# KiCad board Marble.kicad_pcb (continued)
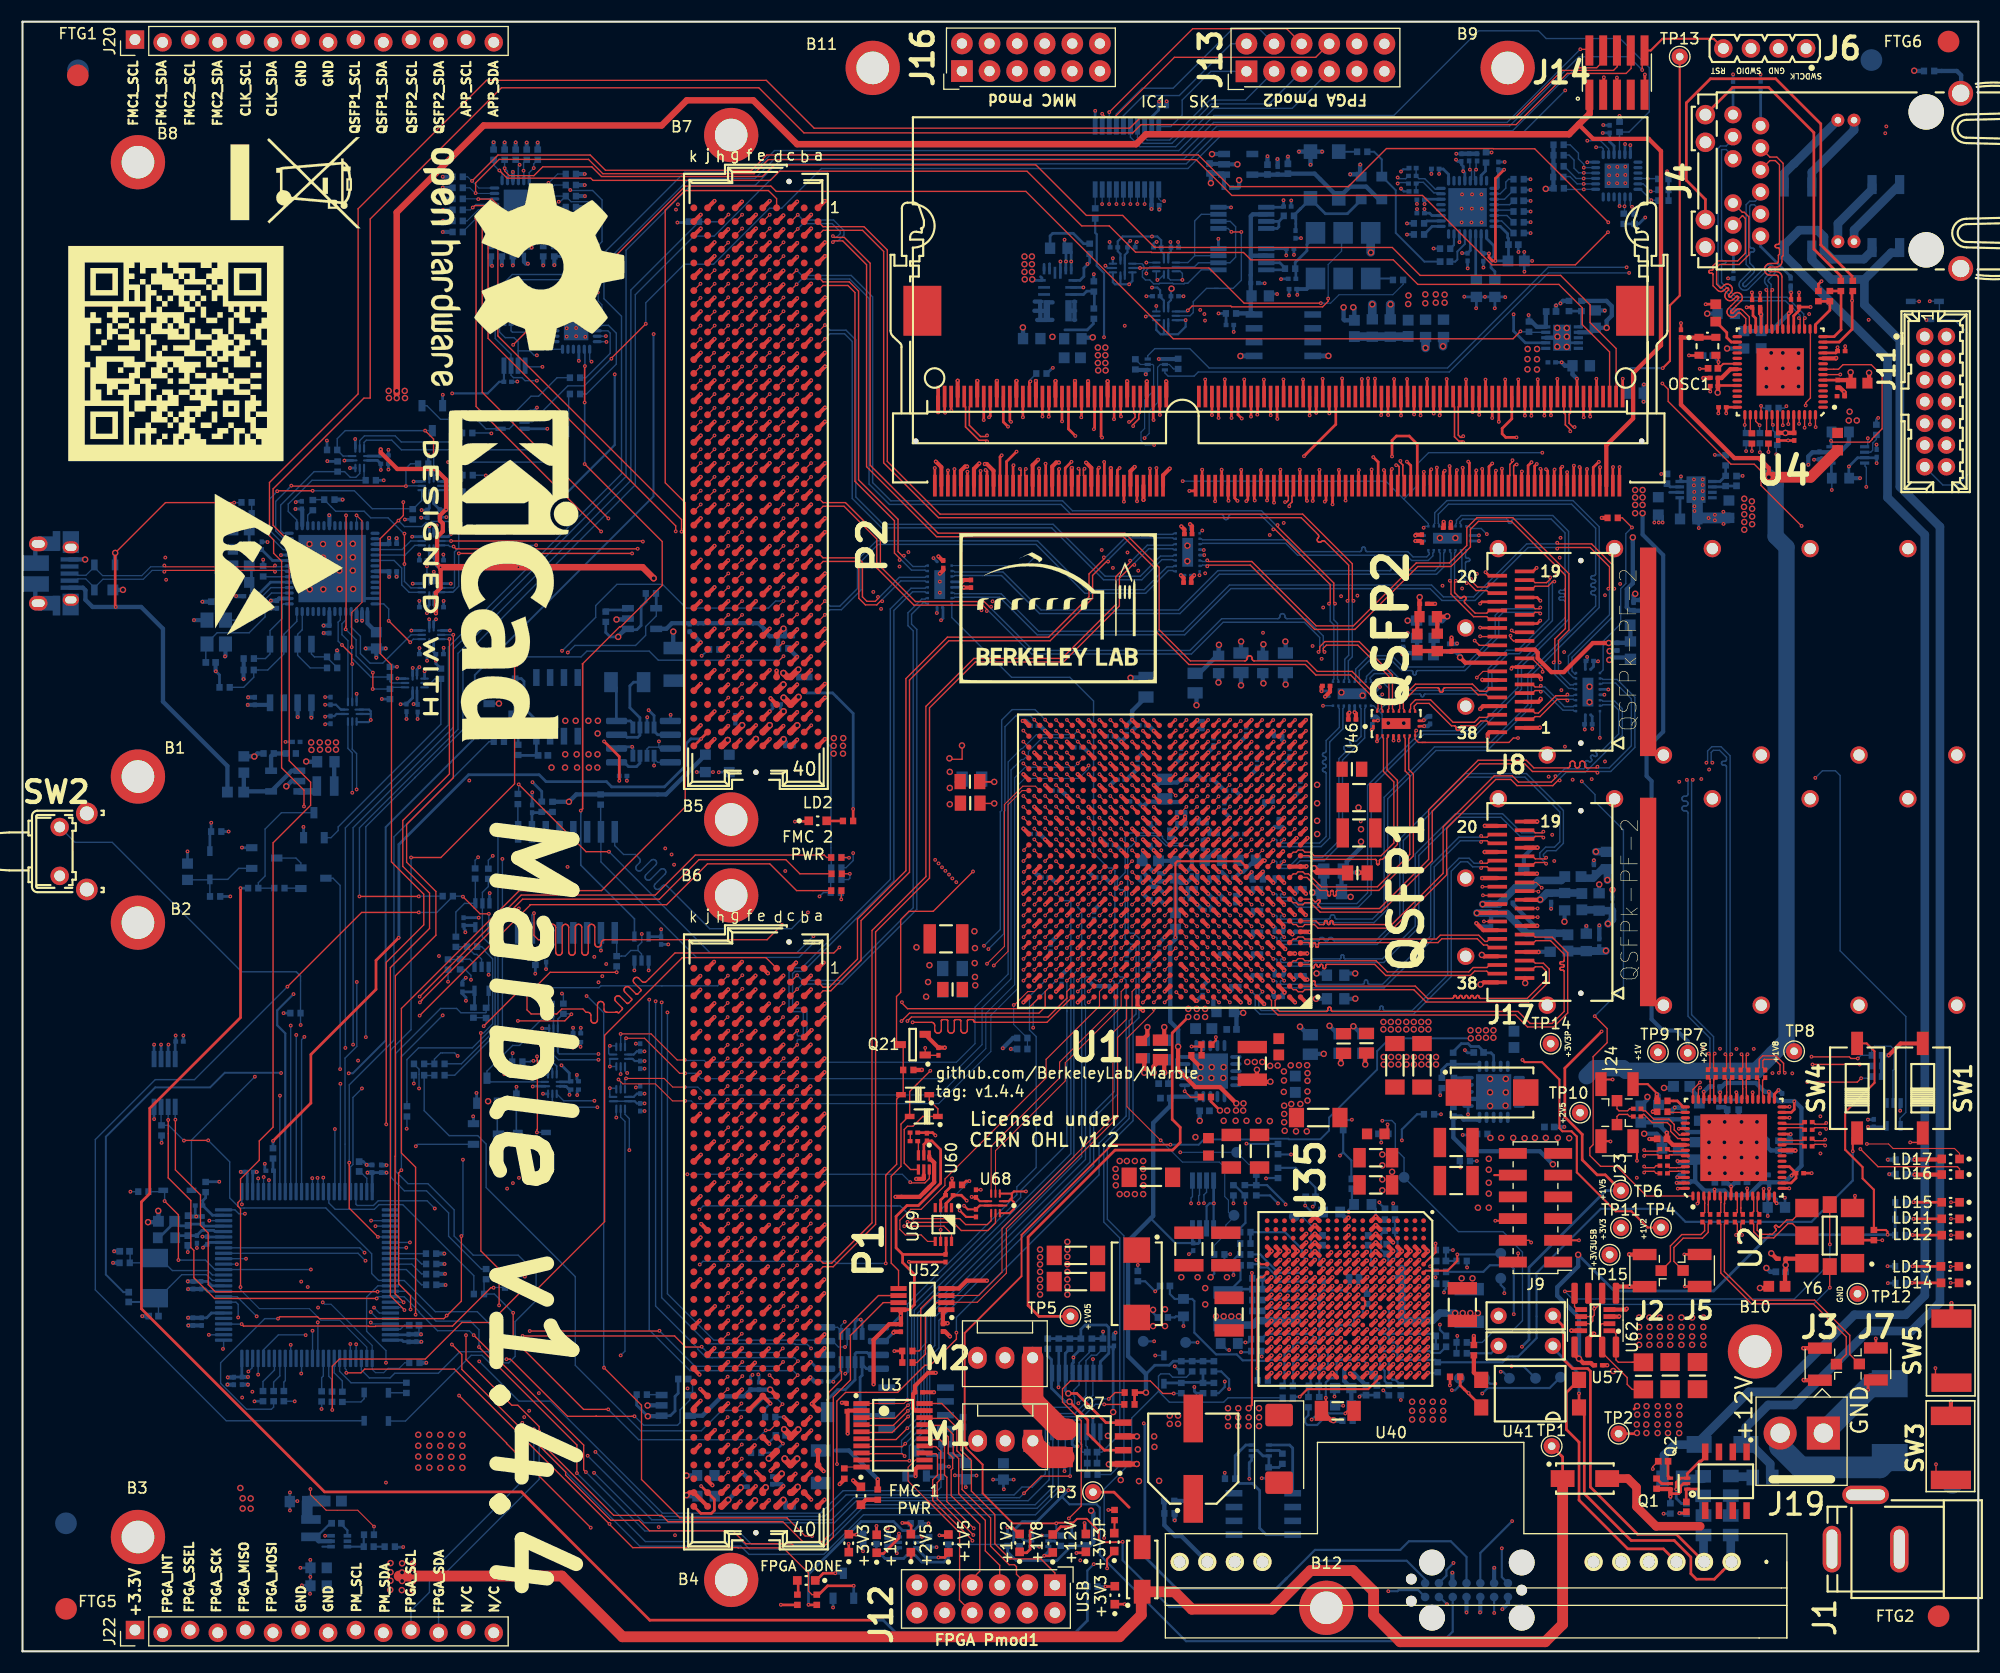
[diagram p0: board, top side]
## Routing (per net, layer and track width the routed paths; a pad name or vN(x,y) marks a point on that pad's centre or on a via; arc(x,y) is an arc through that point) (continued)
  Bottom w0.4: C236.1 115.97,60.45 v1(116.15,60.64) ; C228.1 116.05,66.31 v1(116.05,66.68) ; C238.1 116.1,62.36 v1(116.1,62.68) ; R161.2 114.16,71.77 v1(114.16,71.77)
  vias: v2(133.27,57.16) v2(134,57.16) v2(134,56.47) v2(134.69,57.16) v2(134.69,56.47) v2(135.38,57.16) v2(135.38,56.47)
VTT_DDR3: length 35.7
  Top w0.2: v1(150.96,118.11) 151.62,118.77 151.62,123.89 152.52,124.79 TP13.1
  Top w0.254: SK1.203 146.97,108.99 v1(146.99,109.01) ; SK1.204 147.27,117.12 v1(147.28,117.14)
  Bottom w0.2: v1(150.96,118.11) 147.99,118.11
Net-(C28-Pad1): length 5.1
  Top w0.4: Y6.6 163.82,36.13 C29.1 162.27,36.11 v2(162.27,35.55) 162.27,35.09 162.22,35.04 L19.2
  Bottom w0.4: v2(162.27,35.55) 162.27,35.09
Net-(C38-Pad1): length 3.7
  Bottom w0.254: U30.2 46.89,77.19 C38.1 47.72,77.2 R224.2 47.8,77.26 R225.2
Net-(C39-Pad1): length 3
  Bottom w0.254: U30.14 48.16,64.18 C39.1 47.24,64.15 R227.2
Net-(C42-Pad2): length 11
  Top w0.254: 163.51,123.56 163.51,123.42 163.02,122.93 U4.19 ; 159.27,123.69 159.27,122.94 159.52,122.69 U4.26 ; 168.68,113.32 168.69,113.33 ; U4.38 156.04,116.51 156.04,116.52 ; C52.1 158.68,123.71 v1(158.68,123.71) ; C48.1 164.56,123.74 v1(164.56,123.74)
  Top w0.4: U4.35 157.18,118.01 156.37,117.2 156.04,117.2 156.04,115.88 v2(156.02,115.86)
  vias: v2(168.08,113.29) v2(168.16,114.11) v2(168.82,113.29)
Net-(C47-Pad2): length 11.2
  Top w0.254: v1(162.57,123.16) 162.52,123.1 U4.20 ; 160,123.69 v1(160,123.07) 160,122.89 160.02,122.88 U4.25 ; 162.72,123.68 C51.1
  Top w0.4: v1(160,123.07) 159.92,123.15 C49.1 ; v1(162.57,123.16) 162.77,123.35 C51.1
  Bottom w0.4: C47.2 160.95,121.53 v1(162.57,123.16) ; C47.2 160,121.52 L4.2 ; C47.2 160.02,123.06 v1(160,123.07)
Net-(C58-Pad1): length 2.4
  Bottom w0.254: J4.7 157.43,141.45 C58.1
Net-(C59-Pad1): length 3.4
  Bottom w0.254: J4.1 159.97,140.43 C59.1
Net-(C60-Pad1): length 5.1
  Bottom w0.254: 162.71,126.57 159.97,129.31 J4.6 160.13,130.11
  Bottom w0.4: 162.71,126.52 162.71,126.57
Net-(C70-Pad1): length 2.3
  Bottom w0.254: U47.6 156.67,107.18 R68.1 157.73,107.26 C70.1
Net-(C72-Pad2): length 2
  Bottom w0.254: U47.1 152.55,106.16 C72.2
Net-(C74-Pad1): length 1.3
  Bottom w0.254: U47.3 151.65,107.18 C74.1
Net-(C93-Pad1): length 10.4
  Bottom w0.127: 9.9,36.82 9.9,35.77 9.92,35.75 11.69,35.75 12.19,36.26 ; U54.13 17.47,34.64 17.07,35.04 13.79,35.04 12.38,36.45
Net-(C102-Pad1): length 11.7
  Bottom w0.127: C92.1 12.51,32.23 12.19,32.56 11.79,32.15 ; U54.12 17.46,34.14 16.94,34.66 14.65,34.66 12.37,32.38
  Bottom w0.178: C102.1 11.79,32.15
Net-(C106-Pad1): length 14.4
  Bottom w0.4: U19.2 113.23,132.27 113.04,132.09 113.04,126.68 113.04,126.67 113.04,123.03
  Bottom w0.402: 114.48,128.47 U16.2 114.26,128.46 114.26,128.46 113.04,128.46 ; 113.76,123.05 U14.8 113.25,123.15 R58.1 ; 113.11,124.95 113.33,124.73
Net-(C107-Pad1): length 13.8
  Bottom w0.402: U13.5 116.37,135.92 C107.1 118.92,136.02 121.14,133.8 ; 121.14,133.8 Y2.4 ; 121.14,133.8 122.17,134.82 123.67,134.82 125.01,133.49 125.01,133.45
Net-(C111-Pad1): length 5
  Bottom w0.802: L11.2 127.52,121.01 L12.1
Net-(C114-Pad1): length 14.3
  Bottom w0.178: R82.2 124.4,138.03 125.1,137.33 Y1.4 ; 125.01,135.87 126.39,134.48 126.39,130.55 129.02,127.92 C114.1
Net-(C114-Pad2): length 3.4
  Bottom w0.178: U20.21 132.75,129.54 132.06,128.85 132.06,128.11 131.86,127.92 C114.2
Net-(C120-Pad1): length 4.2
  Bottom w0.254: C120.1 133.75,126.33 U20.19
Net-(C121-Pad1): length 4.7
  Bottom w0.254: U20.17 134.75,130.05 135.41,129.38 135.41,128.43 135.16,128.18 135.16,127.35 135.51,127 C121.1
Net-(C123-Pad1): length 20
  Top w0.254: v1(136.36,136.38) 135.56,135.58 v1(135.56,127.98) 135.29,127.98 134.97,128.31 v1(134.97,128.67)
  Bottom w0.254: U20.16 136,131.16 136.68,130.48 136.68,130.13 136.76,130.05 C123.1 136.76,128.03 L26.1 v1(135.56,127.98) ; v1(134.97,128.67) 134.96,128.66 C126.1 134.25,128.86 U20.18 ; v1(136.36,136.38) 136.36,136.38 C210.1 135.83,134.74 135.75,134.66 U20.9
Net-(C128-Pad1): length 26.8
  Top w0.254: 154.26,14.43 154.26,14.92 154.25,14.93 Q1.1 153.12,14.84 153.12,13.62
  Top w0.8: D4.2 147.74,15.9 148.55,15.09 148.55,13.31 150.35,11.51 154.41,11.51
  Bottom w2: J19.2 161.76,18.81 163.65,16.93 170.95,16.93 D10.1
Net-(C129-Pad1): length 137.1
  Top w0.254: 140.74,18.56 140.84,18.56 ; D4.1 141.74,17.89 140.75,18.88
  Top w1: 34.67,6.92 49.63,6.92 55.22,1.34 100.96,1.34 102.97,3.34 102.97,5.48 106.02,5.48 107.62,3.88 115,3.88 118.55,7.43 122.45,7.43 124.35,5.53 124.35,3.33 126.8,0.88 140.15,0.88 141.74,2.47 D4.1
  Bottom w0.2: U18.1 27.6,9.63
  Bottom w0.254: 27.85,7.83 C129.1
  vias: v2(33.87,8.12) v2(33.87,7.28) v2(33.87,6.49) v2(33.84,5.65) v2(34.93,8.09) v2(34.93,7.25) v2(34.93,6.47) v2(34.91,5.63) v2(35.93,8.07) v2(35.93,7.23) v2(35.93,6.44) v2(35.9,5.6)
Net-(C130-Pad1): length 1.4
  Bottom w0.2: C130.1 29.35,11.68 29.9,11.13 U18.4
Net-(C130-Pad2): length 4.4
  Bottom w0.2: L13.1 27.07,10.53 28.32,11.78 C130.2
  Bottom w0.3: L13.1 26.65,10.43 26.95,10.43
  Bottom w0.4: U18.2 27.25,10.13 26.95,10.43
Net-(C132-Pad1): length 13.5
  Top w0.102: v1(26.5,14.93) 26.5,14.43 27.95,12.98 30.85,12.98 v1(32.35,11.48)
  Bottom w0.102: v1(32.35,11.48) 32.34,11.47 R7.1 ; C132.1 26.5,14.08 v1(26.5,14.93)
  Bottom w0.4: 26.2,12.38 26.45,12.13 L13.2 27,12.13 27.15,12.28
  Bottom w1: 26.2,12.38 C132.1 ; 27.79,13.83 26.39,13.83
Net-(C134-Pad2): length 3.6
  Bottom w0.254: R213.2 85.51,20.32 85.37,20.46 Q16.4 86.38,20.46 C134.2
Net-(C135-Pad2): length 3.7
  Bottom w0.254: Q23.4 47.29,82.62 C135.2 45.65,82.46 R214.2
Net-(C138-Pad1): length 6.5
  Top w0.4: U35.K18 v1(122.15,26.43)
  Bottom w0.2: C138.1 122.15,24.38
  Bottom w0.4: R109.1 122.42,22.51 C427.1 C138.1 121.65,24.88 121.65,25.93 v1(122.15,26.43)
Net-(C143-Pad1): length 29.4
  Top w0.2: TP4.1 149.58,39 148.08,40.5 146.63,40.5 143.05,44.08 143.05,47.38 142.56,47.87 141.73,47.87 141.45,48.15 141.45,52.63 139.85,54.23 138.25,54.23 v1(138.05,54.43)
  Bottom w0.13: 135.41,54.14 135.33,54.21
  Bottom w0.254: U36.18 135.39,54.84 135.15,55.09 134.47,55.09 134.47,55.22 134.02,55.67 133.31,55.67 133.04,55.93 132.42,55.93 131.65,55.16
Net-(C150-Pad1): length 5.9
  Top w0.4: U35.N16 v1(119.75,28.03)
  Bottom w0.2: R133.1 119.35,24.38 C150.1 119.35,24.48 119.35,25.79 119.59,26.03 119.95,26.03 120.15,26.23 120.15,27.63 v1(119.75,28.03)
Net-(C150-Pad2): length 6.1
  Top w0.4: U35.P16 v1(118.95,28.03)
  Bottom w0.2: v1(118.95,28.03) 119.35,27.63 119.35,26.23 119.15,26.03 118.65,26.03 118.55,25.93 118.55,24.58 C150.2 118.35,24.38 R139.1
Net-(C151-Pad2): length 6.5
  Top w0.4: U35.E9 v1(126.15,33.63)
  In2.Cu w0.2: v1(130.05,34.43) 130.05,33.77 129.51,33.23 126.55,33.23 v1(126.15,33.63)
  Bottom w0.2: 130.08,33.93 130.05,33.96 v1(130.05,34.43) 130.05,34.88 130.1,34.93
Net-(C152-Pad2): length 5.9
  Top w0.4: U35.R9 v1(118.15,33.63)
  Bottom w0.2: R111.2 114.12,33.35 C152.2 114.2,33.23 116.18,33.23 116.28,33.13 117.09,33.13 117.19,33.23 U35.R9 v1(118.15,33.63)
Net-(C153-Pad2): length 40.1
  Top w0.2: R134.2 121.97,22.13 v1(121.74,21.89)
  Top w0.4: U35.C13 v1(127.75,30.43) ; U35.T7 v1(117.35,35.23) ; U35.D8 v1(126.95,34.43) ; U35.L6 v1(121.25,35.93) ; U35.D12 v1(126.95,31.23) ; U35.D10 v1(126.95,32.83) ; U35.D13 v1(126.95,30.43) ; U35.V13 v1(115.75,30.43) ; U35.W13 v1(114.95,30.43) ; U35.M6 v1(120.45,35.93) ; U35.T10 v1(117.35,32.83) ; v1(123.73,35.95) 123.67,35.95 U35.H6 ; U35.D7 v1(126.95,35.23) ; U35.J6 v1(122.95,36.03) ; U35.E8 v1(126.15,34.43) ; U35.R10 v1(118.15,32.83) ; U35.T12 v1(117.35,31.23) ; U35.A13 v1(129.35,30.43) ; U35.T8 v1(117.35,34.43) ; U35.J5 v1(122.85,36.73) ; U35.T13 v1(117.35,30.43) ; U35.T9 v1(117.35,33.63) ; U35.T11 v1(117.35,32.03) ; U35.D11 v1(126.95,32.03) ; U35.D9 v1(126.95,33.63) ; U35.U13 v1(116.55,30.43) ; U35.L5 v1(121.25,36.73) ; U35.B13 v1(128.55,30.43)
  Bottom w0.2: R139.2 118.35,21.73 118.05,21.43 118.05,21.03 118.25,20.83 119.15,20.83 120.21,21.89 v1(121.74,21.89)
  Bottom w0.4: v1(126.95,34.43) v1(126.15,34.43) ; v1(117.35,30.43) v1(117.35,31.23)
  Bottom w0.7: v1(117.35,30.43) 113.65,30.43 113.25,30.03 C155.2 ; v2(131.85,31.13) 130.45,31.13 129.75,30.43 v1(126.95,30.43) v1(126.95,35.23)
  vias: v2(109.85,30.83) v2(110.55,30.83) v2(111.25,30.83) v2(111.95,30.83) v2(127.89,22.97) v2(127.89,22.13) v2(127.89,21.33) v2(128.83,22.97) v2(128.83,22.13) v2(128.83,21.33) v2(129.79,22.97) v2(129.79,22.13) v2(129.79,21.33) v2(130.75,22.97) v2(130.75,22.13) v2(130.75,21.33) v2(132.55,31.13) v2(133.25,31.13) v2(133.95,31.13)
Net-(C157-Pad2): length 6.6
  Top w0.4: U35.F9 v1(125.35,33.63)
  In2.Cu w0.2: v1(125.35,33.63) 125.75,34.03 128.72,34.03 128.95,34.27 128.95,34.83 v1(129.55,35.43)
  Bottom w0.2: C157.2 129.6,35.43 v1(129.55,35.43)
Net-(C158-Pad2): length 3
  Top w0.4: U35.G7 v1(124.55,35.23)
  Bottom w0.2: C158.2 124.1,37.13 124.1,35.68 v1(124.55,35.23)
Net-(C159-Pad2): length 3
  Top w0.4: U35.N7 v1(119.75,35.23)
  Bottom w0.2: C159.2 119.35,37.08 119.35,35.63 v1(119.75,35.23)
Net-(C160-Pad2): length 7.6
  Top w0.4: U35.P9 v1(118.95,33.63)
  Bottom w0.2: C160.2 113.1,35.63 113.65,35.63 113.95,35.33 114.61,35.33 115.35,34.59 115.35,34.26 115.59,34.03 118.55,34.03 v1(118.95,33.63)
Net-(C162-Pad1): length 7.7
  Bottom w0.4: C162.1 20.37,79.1 L10.2 20.42,79.15 U22.4 24.78,81.05 U22.1
Net-(C165-Pad1): length 9.7
  Bottom w0.127: C165.1 18.28,95.32 Y4.1 21.2,94.92 21.89,95.61 21.89,96.74 22.08,96.93 22.08,97.13 22.86,97.91 U23.4
Net-(C167-Pad1): length 7.5
  Bottom w0.127: 21.07,98.91 20.86,98.71 C167.1
  Bottom w0.254: L24.2 21.07,99.71 C174.1 21.55,97.12 22.84,98.41 U23.5
Net-(C168-Pad1): length 5.9
  Bottom w0.254: L25.2 C168.1 21.98,101.44 23.01,100.41 U23.9
Net-(C171-Pad1): length 12.2
  Bottom w0.127: C171.1 16.87,92.61 Y4.3 16.98,92.82 17.91,93.75 20.86,93.75 22.32,95.22 22.32,96.82 22.92,97.41 U23.3
Net-(C188-Pad2): length 6.6
  Bottom w0.127: 97.88,20.2 97.88,18.93 98,18.81 C188.2 ; 97.88,16.4 R129.2 98,16.28 C189.2 C188.2 ; 97.24,20.2 97.24,19.3 97.48,19.06 97.48,18.41 97.56,18.33 C188.2
Net-(C307-Pad2): length 1.9
  Bottom w0.127: U54.73 34.78,29.64 35.15,30.01 C307.2
Net-(C308-Pad1): length 4.7
  Bottom w0.254: U54.21 17.71,38.64 17.6,38.74 16.5,38.74 16.05,38.29 C310.1 15.21,38.26 15.21,38.26 14.33,38.26 14.13,38.07
Net-(C309-Pad2): length 2.2
  Bottom w0.127: C309.2 31.05,44.17 31.68,43.54 31.68,42.31
Net-(C322-Pad2): length 44.6
  Top w0.254: v1(156.23,51.45) 156.24,51.44 U2.43 ; U2.59 152.34,45.11 v1(152.32,45.13) ; U2.15 160.74,42.55 v1(160.75,42.56) ; v1(152.24,43.12) 152.26,43.11 U2.63 ; C323.1 163.04,44.01 v1(162.81,43.78) ; C323.1 163.22,43.55 162.78,43.11 U2.18 ; C323.1 162.62,44.61 U2.21 162.36,44.61 ; U2.31 162.8,49.61 163.07,49.88 v1(163.07,50.61) ; v1(160.73,51.5) 160.74,51.49 U2.34 ; v1(155.72,42.51) 155.74,42.5 U2.5
  Bottom w0.4: C322.2 153.65,44.97 152.47,44.97 v1(152.32,45.13) ; C322.2 153.95,43.25 ; C322.2 153.65,45.27 152.63,46.29 L6.2 ; 153.95,43.25 153.55,43.25 153.45,43.15 C325.1 152.82,43.12 v1(152.24,43.12) ; 153.95,43.25 154.78,42.41 156.64,42.41 157.07,41.98 158.85,41.98 160.04,43.17 162.2,43.17 163.73,44.69 163.73,50 163.09,50.64 C357.1 161.59,50.64 v1(160.73,51.5) 160.35,51.5 159.53,52.31 156.74,52.31 156.41,51.98 C329.1 156.2,51.48 v1(156.23,51.45) ; C326.1 160.75,43.1 v1(160.75,42.56)
Net-(C350-Pad1): length 8.4
  Top w0.254: TP3.1 100.45,14.65 101.85,13.25
  Bottom w0.254: Q22.1 113.13,17.58 112.91,17.36 112.91,15.88 v1(112.91,15.88)
  Bottom w0.4: R197.1 107.24,13.83 107.56,13.51 107.56,12.91
Net-(C352-Pad1): length 2.2
  Bottom w0.254: C352.1 157.46,129.21 J4.12
Net-(C353-Pad1): length 35.7
  Top w0.254: 143.74,22.52 143.74,14.51 148.05,10.2 152.02,10.2 153.55,8.67 153.55,7.15 154.06,6.63 155.71,6.63 U40.1 ; 143.25,22.54 U41.1 143.25,23.73 v1(143.25,23.73)
  Bottom w0.254: C353.1 140.85,27.93 143.25,25.53 v1(143.25,23.73)
  Bottom w0.8: U40.1 157.22,8.31 L39.2
Net-(C354-Pad1): length 33.8
  Top w0.254: U40.2 152.22,10.76 148.65,10.76 144.3,15.11 144.3,25.78 144.05,26.03 142.65,26.03 141.83,26.85 141.83,29.28 141.76,29.34 141.76,29.96 C354.1
  Bottom w0.8: L40.2 154.71,8.27 U40.2
Net-(C360-Pad1): length 8.2
  Bottom w0.127: C360.1 17.2,71.01 D16.2 ; D16.2 18.89,71.06 19.9,72.07 Q18.1 ; D16.2 17.24,69.23
Net-(C361-Pad2): length 18.3
  Top w0.4: U35.G8 v1(124.55,34.43)
  In2.Cu w0.2: v1(126.95,47.03) 126.95,42.03 v1(126.15,41.23) 125.19,40.27 125.19,36.43 124.95,36.19 124.95,35.07 124.55,34.66 v1(124.55,34.43)
  Bottom w0.2: C361.2 126.15,40.88 v1(126.15,41.23) ; R243.1 128.35,49.43 126.95,48.03 v1(126.95,47.03)
Net-(C362-Pad2): length 19.5
  Top w0.4: U35.J10 v1(122.95,32.83)
  In2.Cu w0.2: v1(121.25,45.63) 121.25,43.23 120.85,42.83 120.85,40.93 121.25,40.53 121.25,37.63 121.65,37.23 121.65,36.57 121.75,36.47 121.75,35.07 122.55,34.27 122.55,33.23 v1(122.95,32.83)
  Bottom w0.2: 122.3,43.63 122.3,45.18 121.55,45.93 ; 121.55,45.93 v1(121.25,45.63) ; 121.55,45.93 R244.1
Net-(C363-Pad2): length 16.2
  Top w0.4: U35.L10 v1(121.35,32.83)
  In2.Cu w0.2: v1(118.75,40.93) 119.35,40.33 119.35,35.87 119.59,35.63 119.91,35.63 120.15,35.4 120.15,34.27 120.39,34.03 120.71,34.03 120.95,33.79 120.95,33.23 v1(121.35,32.83)
  Bottom w0.2: R306.1 117.18,44.5 119,42.68 C363.2 118.95,41.78 118.95,41.13 v1(118.75,40.93)
Net-(C374-Pad1): length 4
  Top w0.178: U4.34 156.53,118.51 156.08,118.07 156.08,119.05 155.85,119.27
  Bottom w0.178: 155.63,119.26 155.63,119.14 v1(156.09,118.68)
Net-(C383-Pad1): length 0.9
  Top w0.2: R195.1 109.83,56.24 v1(109.83,56.53)
Net-(C393-Pad1): length 1.3
  Bottom w0.254: U36.15 131.78,52.79 C393.1
Net-(C394-Pad1): length 3.4
  Bottom w0.127: U37.15 106.35,54.71 106.15,54.51 106.15,53.44 105.47,52.76 C394.1
Net-(C417-Pad2): length 1.9
  Bottom w0.127: 137.23,133.52 136.87,133.16 U20.12
Net-(C419-Pad1): length 1.3
  Top w0.127: U60.3 82.45,46.98 82.45,46.99
Net-(C419-Pad2): length 0.8
  Top w0.127: 81.71,47.77 81.71,46.98
Net-(C426-Pad2): length 19.6
  Top w0.4: U35.N11 v1(119.75,32.03)
  In2.Cu w0.2: v1(104.25,33.13) 104.85,32.53 109.55,32.53 110.45,31.63 116.15,31.63 116.25,31.53 116.75,31.53 116.85,31.63 119.35,31.63 v1(119.75,32.03)
  Bottom w0.2: R307.1 103.32,34.06 v1(104.25,33.13) 104.7,33.58 C426.2
Net-(D1-Pad1): length 10.6
  Top w0.127: D1.1 83.45,50.73 84.25,49.93 D9.1 82.85,49.23 81.95,48.33 81.45,48.33 81.15,48.03 81.15,44.93 81.73,44.35 U60.4
Net-(D6-Pad1): length 136.5
  Bottom w0.8: D8.1 158.61,20.62 160.67,22.67 163.04,22.67 169.85,29.48 173.85,29.48 176.47,32.1 176.47,103.51 172.79,107.2 172.79,120.68 169.52,123.95 169.52,126.27 ; 169.52,126.27 166.49,126.27 164.68,128.08 D6.1 ; 169.52,126.27 171.99,128.74 172.7,128.74 ; 160.85,15.96 160.85,17.25 159.09,19.02 158.31,19.02
Net-(D6-Pad2): length 145.4
  Bottom w0.8: 151.08,15.95 151.08,18.04 152.06,19.02 154.01,19.02 158.87,23.88 161.5,23.88 168.6,30.98 173.31,30.98 175.08,32.75 175.08,102.77 171.65,106.2 171.65,118.97 163.37,127.25 163.37,127.31 162.14,128.53 D6.2 162.14,129.43 163.52,130.81 165.2,130.81 165.8,130.21 165.8,128.9 166.55,128.15 169.46,128.15 170.22,128.91 D7.2
Net-(D13-Pad4): length 48
  Top w0.127: v1(19.48,105.73) 13.15,105.73 v2(8.53,101.11)
  Top w0.254: v1(8.58,96.13) 8.53,96.18 v2(8.53,101.11)
  Bottom w0.127: R112.1 20.13,105.73 v1(19.48,105.73)
  Bottom w0.4: D13.4 8.52,101.09 v2(8.53,101.11) ; J10.1 5.55,97.9 5.79,97.67 5.79,96.79 6.45,96.13 v1(8.58,96.13) ; v1(8.58,96.13) 8.73,96.13 ; v1(8.58,96.13) 10.92,96.13 12.93,94.12 12.93,87.42 18.86,81.49 18.86,79.15 18.82,79.11
Net-(D14-Pad2): length 9.2
  Bottom w0.15: 45.45,47.89 D14.2 45.45,47.62 Q5.3 43.7,47.73 Q17.1 45.39,50.45 R246.2 45.45,47.89
Net-(D17-Pad1): length 91
  Top w0.127: v1(36.47,68.01) 31.21,68.01 v1(24.38,61.18) ; v1(42.92,67.88) 42.11,67.88 v1(40.54,69.46)
  Bottom w0.127: v1(36.47,68.01) 38.13,68.01 39.61,69.49 R276.2 40.48,69.51 v1(40.54,69.46) ; U7.4 42.92,66.7 v1(42.92,67.88) ; D17.1 18.75,21.22 6.7,33.26 6.7,47.11 12.21,52.62 15.82,52.62 v1(24.38,61.18)
Net-(D18-Pad1): length 64.5
  Bottom w0.127: U10.4 42.9,59.47 R63.2 42.67,58.82 42.63,58.78 40.35,58.78 39.95,59.17 38.48,59.17 34.35,55.04 34.35,44.17 35.48,43.04 37.31,43.04 39.72,40.63 39.72,38.22 41.48,36.46 45.62,36.46 47.27,34.81 47.27,32.27 45.34,30.34 45.34,27.14 44.74,26.55 42.98,26.55 42.29,27.24 41.3,27.24 35.25,21.19 D18.1
Net-(J4-Pad17): length 27.4
  Top w0.254: 154.89,141.44 157.4,143.96 160.7,143.96 164.87,139.79 164.87,129.07 167.37,126.57 167.37,126.17 R67.1
Net-(J4-Pad19): length 42.2
  Top w0.254: R156.1 168.39,126.21 168.39,126.57 165.5,129.45 165.5,140.6 161.36,144.75 155.35,144.75 153.13,142.54 153.13,135.4 154.89,133.65 J4.19
Net-(J4-Pad21): length 20.4
  In2.Cu w0.4: 178.42,127.32 178.42,143.45
  Bottom w0.4: R165.2 178.03,145.47 178.42,145.07 178.42,143.45
Net-(L23-Pad1): length 1.4
  Bottom w0.602: U22.3 26.86,79.15 26.87,79.16
Net-(L35-Pad2): length 1.7
  Bottom w0.8: 159.05,15.96 158.94,16.07 157.44,16.07
Net-(L36-Pad2): length 1.8
  Bottom w0.8: 152.88,15.95 152.95,15.88 154.68,15.88
Net-(L37-Pad2): length 1.5
  Bottom w0.8: L39.1 157.22,14.05
Net-(L38-Pad2): length 1.6
  Bottom w0.8: 154.68,14.08 154.71,14.05 L40.1
Net-(LD1-Pad2): length 1.7
  Top w0.4: R235.2 77.62,13.95 77.16,13.49
Net-(LD2-Pad2): length 1.7
  Top w0.254: R236.2 73.82,76.43 73.78,76.39
Net-(LD3-Pad1): length 3.1
  Top w0.254: v1(74.8,7.18) 73.7,7.18 73.04,6.52 LD3.1 73.24,6.52
  Bottom w0.254: v1(74.8,7.18) Q19.3
Net-(LD3-Pad2): length 1.4
  Top w0.254: R163.2 71.39,5.28 71.39,6.61
Net-(LD4-Pad2): length 1.4
  Top w0.254: v1(76.74,10.73) 76.73,10.72 76.04,10.72
  Bottom w0.254: v1(76.74,10.73) 77.28,10.73 R248.2
Net-(LD5-Pad1): length 3.4
  Top w0.254: 78.58,9 79.24,9 80.67,10.42 v1(80.67,10.84)
  Bottom w0.254: 80.66,10.52 80.67,10.53 v1(80.67,10.84)
Net-(LD5-Pad2): length 1.6
  Top w0.254: v1(78.6,11.53) 78.6,10.66 78.58,10.65
  Bottom w0.254: R249.2 78.58,11.52 v1(78.6,11.53)
Net-(LD6-Pad2): length 2.6
  Top w0.254: 81.79,10.65 81.79,11.55 81.52,11.81 v1(80.97,11.81)
  Bottom w0.254: R251.2 81.71,11.81 v1(80.97,11.81)
Net-(LD7-Pad1): length 3.5
  Top w0.254: 85.24,9 84.88,8.64 v1(84.3,8.64)
  Bottom w0.254: 82.24,9.52 83.12,8.64 v1(84.3,8.64)
Net-(LD7-Pad2): length 1.7
  Top w0.254: 85.24,10.65 84.41,10.65 v1(84.39,10.67)
  Bottom w0.254: v1(84.39,10.67) 85.11,10.67 R252.2
Net-(LD8-Pad1): length 3.7
  Top w0.254: v1(92.91,11.26) 92.74,11.08 92.74,9.39 92.42,9.07 91.77,9.07
  Bottom w0.254: v1(92.91,11.26) 92.88,11.23 92.88,10.65
Net-(LD8-Pad2): length 2.2
  Top w0.254: v1(90.65,11.4) 91.09,11.4 91.77,10.72
  Bottom w0.254: v1(90.65,11.4) 90.66,11.38 R254.2
Net-(LD9-Pad1): length 1.9
  Top w0.254: v1(94.03,8.79) 94.54,8.79 94.82,9.07
  Bottom w0.254: 94.46,9.65 94.46,9.23 v1(94.03,8.79)
Net-(LD9-Pad2): length 2.9
  Top w0.254: 94.82,10.72 95.56,11.47 v1(96.57,11.47)
  Bottom w0.254: R256.2 v1(96.57,11.47)
Net-(LD10-Pad2): length 2.3
  Top w0.254: 97.79,10.72 97.74,10.77 v1(97.74,11.81)
  Bottom w0.254: v1(97.74,11.81) 97.84,11.71 R257.2
Net-(LD11-Pad2): length 3.4
  Top w0.254: LD11.2 v1(174.04,39.8)
  Bottom w0.254: R267.2 173.31,39.8 v1(174.04,39.8)
Net-(LD12-Pad2): length 3.4
  Top w0.254: v1(173.96,38.32) 173.97,38.31 LD12.2
  Bottom w0.254: v1(173.96,38.32) 173.3,38.32 R266.2
Net-(LD13-Pad1): length 250.2
  Top w0.102: v1(177.47,35.4) 177.49,35.42 LD13.1
  In2.Cu w0.127: v1(171.54,140.36) 168.6,143.3 152.73,143.3 150.42,140.99 135.37,140.99 133.28,143.08 95.13,143.08 90.09,138.04 69.06,138.04 67.07,136.05 58.25,136.05 48.03,125.82 48.03,124.11 47.44,123.52 47.44,120.92 47.63,120.73 47.63,120.4 47.95,120.08 48.16,120.08 v1(48.33,120.26)
  In9.Cu w0.127: v1(177.47,35.4) 178.37,36.3 178.37,42.61 176.73,44.25 176.73,73.09 172.15,77.68 172.15,139.78 171.56,140.36 v1(171.54,140.36)
  Bottom w0.127: v1(48.33,120.26) 48.33,120.46 48.44,120.56 48.99,120.56 U39.13
Net-(LD13-Pad2): length 3.3
  Top w0.254: LD13.2 173.97,35.42 v1(173.96,35.44)
  Bottom w0.254: v1(173.96,35.44) R264.2
Net-(LD14-Pad1): length 249
  Top w0.102: LD14.1 v1(177.47,33.91)
  In2.Cu w0.127: v1(47.97,120.57) 48.64,121.24 48.64,125.7 58.39,135.45 67.38,135.45 69.54,137.61 90.75,137.61 93.62,140.48 132.99,140.48 133.32,140.15 150.31,140.15 153.03,142.87 168.31,142.87 v1(171.44,139.73)
  In9.Cu w0.127: v1(177.47,33.91) 177.09,34.29 177.09,36.31 177.95,37.18 177.95,42.31 176.17,44.08 176.17,72.86 171.44,77.6 v1(171.44,139.73)
  Bottom w0.127: v1(47.97,120.57) 47.97,120.12 48.24,119.85 U39.12
Net-(LD14-Pad2): length 3.3
  Top w0.254: LD14.2 v1(173.91,33.91)
  Bottom w0.254: R265.2 173.34,33.91 v1(173.91,33.91)
Net-(LD15-Pad2): length 3.3
  Top w0.254: v1(174.04,41.34) 174.05,41.33 LD15.2
  Bottom w0.254: v1(174.04,41.34) 173.33,41.34 R268.2
Net-(LD16-Pad1): length 158.1
  Top w0.127: LD16.1 178.28,44.41 178.08,44.61 170.77,44.61 v1(169.15,46.23)
  In2.Cu w0.127: v1(147.86,126.88) 151.04,126.88 153.58,124.33 166.37,124.33 171.31,119.4 171.31,110.4 171.19,110.29 171.19,50.9 169.15,48.86 v1(169.15,46.23)
  Bottom w0.127: Q15.3 105.14,117.67 105.43,117.38 107.83,117.38 108.21,117.76 131.32,117.76 140.43,126.88 v1(147.86,126.88)
Net-(LD16-Pad2): length 3.6
  Top w0.4: v1(174.15,43.88) 174.15,43.88 LD16.2 176.71,43.96
  Bottom w0.4: R18.2 173.37,43.89 ; R18.2 173.42,43.84 ; R18.2 173.38,43.88 v1(174.15,43.88)
Net-(LD17-Pad1): length 161.3
  Top w0.102: LD17.1 178.28,45.82 177.82,46.28 172.16,46.28 171.74,46.7 v1(169.75,46.7)
  In2.Cu w0.127: v1(147.63,127.4) 151.29,127.4 152.65,126.04 164.99,126.04 165.4,126.45 167.07,126.45 171.73,121.8 171.73,55.33 171.42,55.02 171.42,48.37 v1(169.75,46.7)
  Bottom w0.127: Q15.6 103.56,119.26 104.21,119.91 107.43,119.91 109.21,118.13 131.15,118.13 140.42,127.4 v1(147.63,127.4)
Net-(LD17-Pad2): length 3.4
  Top w0.4: v1(174.13,45.27) 176.71,45.27
  Bottom w0.4: v1(174.13,45.27) 173.35,45.27 R19.2 173.39,45.2
Net-(LD18-Pad2): length 1.2
  Top w0.2: LD18.2 100.5,10.9 R61.2
Net-(LD19-Pad2): length 1.6
  Top w0.254: v1(99.67,5.96) 100.51,5.96 LD19.2
  Bottom w0.254: R78.2 v1(99.67,5.96)
Net-(M1-Pad1): length 3.7
  Top w2: 95.83,17.86 94.16,17.86 92.99,19.03 M1.1
Net-(M1-Pad3): length 13.1
  In2.Cu w0.254: M1.3 87.91,19.52 91.44,23.05 94.1,23.05 v1(95.35,24.3)
  Bottom w0.254: v1(95.35,24.3) 95.34,24.31 95.34,26.09 95.37,26.13 R175.2
Net-(M2-Pad1): length 9
  Top w2: M2.1 92.96,23.03 95.55,20.44 96.15,20.44
  Bottom w0.254: 92.86,26.99 92.86,27.77
Net-(M2-Pad3): length 13.7
  In2.Cu w0.254: v1(96.72,27.04) 94.84,25.16 88.47,25.16 87.88,25.75 M2.3
  Bottom w0.254: R177.2 96.72,27.16 v1(96.72,27.04) 96.72,26.58 96.61,26.47 96.61,25.6 96.58,25.58
Net-(P1-PadC34): length 1.6
  Top w0.381: P1.C34 v1(70.08,21.56)
  Bottom w0.2: R9.2 70.07,21.56 v1(70.08,21.56)
Net-(P1-PadD35): length 3.2
  Top w0.2: P1.D35 69.97,19.12 v1(69.99,19.12)
  Top w0.381: P1.D35 69.43,19.69
  Bottom w0.2: v1(69.99,19.12) 69.15,18.28 R10.2
Net-(P2-PadC34): length 1.7
  Top w0.381: v1(71.29,91.53) 70.72,90.96 P2.C34
  Bottom w0.4: v1(71.29,91.53) 70.71,92.12
Net-(P2-PadD35): length 10.4
  Top w0.381: v1(69.4,90.26) 69.4,90.26 P2.D35
  In4.Cu w0.127: v1(69.4,90.26) 69.45,90.32 69.45,91.84 69.07,92.22 63.09,92.22 v1(62.51,91.63)
  Bottom w0.127: v1(62.51,91.63) 62.71,91.84 62.76,91.84 63.14,92.22 R12.2
Net-(Q1-Pad2): length 4.9
  Top w0.254: Q1.2 152.85,15.43 152.6,15.18 152.6,14.68 152.43,14.51 151.77,14.51 151.66,14.62
  Top w0.4: v1(151.66,14.24) 151.66,14.91 Q1.6 150.42,14.93 R107.1
  Bottom w0.254: v1(151.66,14.24) R104.1
Net-(Q1-Pad3): length 7
  Top w0.254: Q2.4 154.87,17.87 154.5,17.5 154.37,17.5 153.21,16.34 Q1.3 152.6,15.93 152.2,15.53 v1(152.2,14.91)
  Bottom w0.254: 153.25,13.6 152.69,13.6 152.2,14.09 v1(152.2,14.91)
Net-(Q1-Pad5): length 1.4
  Top w0.254: R107.2 150.86,15.43 Q1.5
Net-(Q3-Pad2): length 1.4
  Bottom w0.254: 82.24,10.02 82.87,10.02 83.37,10.52 R247.2
Net-(Q3-Pad5): length 1.2
  Bottom w0.254: 80.66,10.02 80.04,10.02 R250.2
Net-(Q6-Pad3): length 16.6
  Top w0.127: v1(37.84,110.1) 37.83,110.1 37.83,111.59 v1(37.06,112.36)
  Bottom w0.127: U33.2 29.51,110.02 28.97,110.56 R204.2 28.97,111.62 29.7,112.36 v1(37.06,112.36) 37.77,112.36 37.84,112.29 ; U26.2 37.84,110.1 v1(37.84,110.1)
Net-(Q7-Pad2): length 14.5
  Top w0.254: 101.3,18.51 99.57,18.51 98.04,20.03 98.04,21.29 96.36,22.97 v2(96.36,22.98)
  Bottom w0.254: 94.7,25.6 94.7,24.59 ; 94.7,24.59 94.7,24.22 95.94,22.98 v2(96.36,22.98) ; 94.7,24.59 94.7,26.85 94.36,27.19 R174.2
Net-(Q7-Pad4): length 10.6
  Top w0.254: v2(96.25,23.73) 97.03,23.73 99.72,21.05 Q7.4
  Bottom w0.254: R176.2 95.97,27.42 95.97,24.01 v2(96.25,23.73)
Net-(Q8-Pad3): length 3.5
  Bottom w0.254: R213.1 R202.2 83.28,18.02 82.87,18.44 Q8.3
Net-(Q9-Pad3): length 5
  Bottom w0.254: Q9.3 45.31,86.34 45.31,88.56 ; R214.1 45.62,86.05 45.56,86.1
Net-(Q14-Pad1): length 1.5
  Bottom w0.127: R269.2 25.58,70.25 Q14.1
Net-(Q14-Pad2): length 2.9
  Bottom w0.127: Q14.2 25.62,72.56 25.17,73.02 Q18.3
Net-(Q17-Pad3): length 13.2
  Bottom w0.127: U9.2 43.09,52.41 Q17.3 42.75,53.41 45.11,55.77 45.74,55.77 46.06,56.09 R131.2 46.06,56.63 U8.2
Net-(Q20-Pad2): length 1.3
  Bottom w0.254: 94.46,10.15 95,10.15 95.45,9.71 R253.2
